# Altium PCB Slave.PcbDoc (part 9 of 10)
Units mm, origin at the board's own origin, x right, y up, seen from the top; angles counter-clockwise.
Board outline 380 x 63 mm, 4 copper layers (Top Copper, Signal Layer 1, Signal Layer 2, Bottom Copper), stack 1.586 mm thick; 259 components, 195 nets, 816 pads, 23336 vias.
Unrouted connection lines stored in the file: 47.
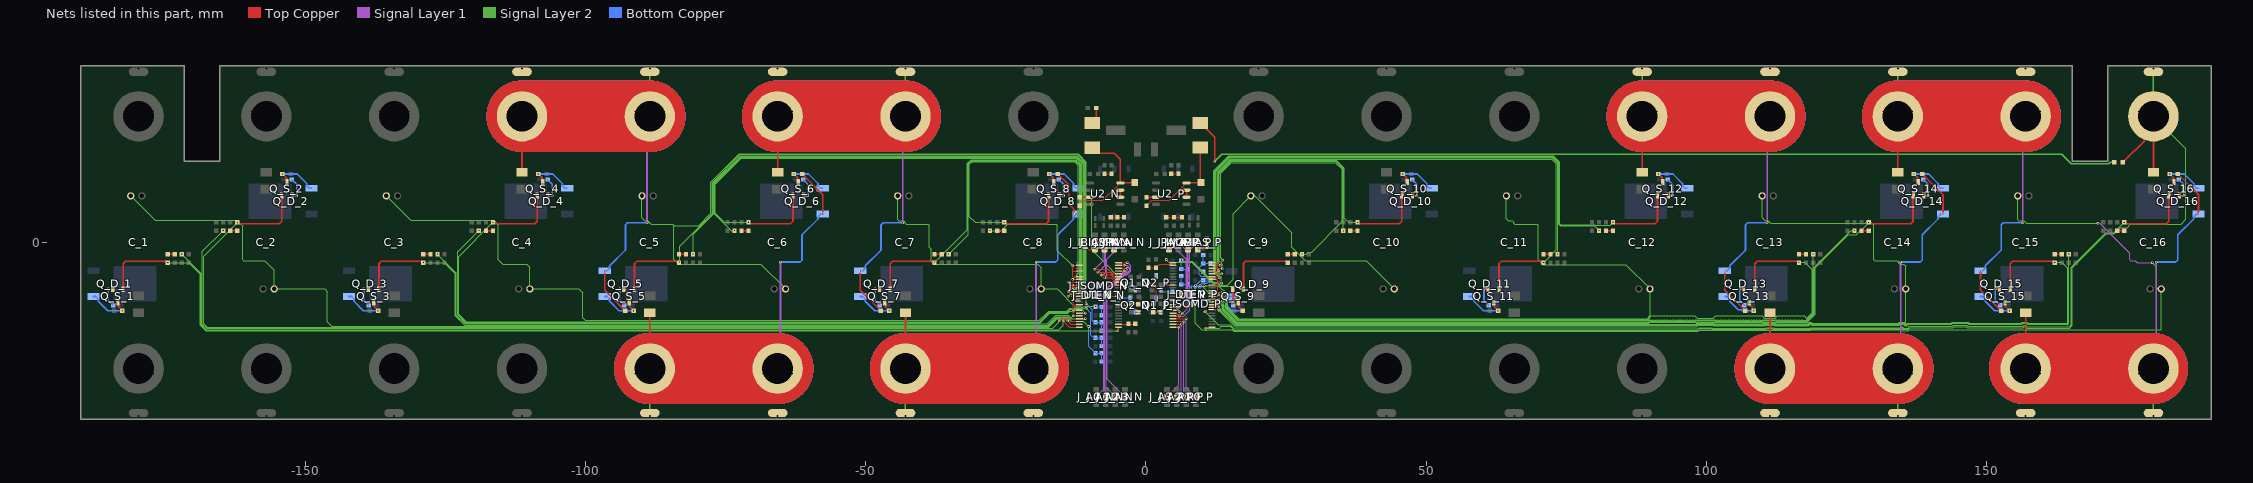
[diagram p11: the nets of this part, all layers, seen from the top]

## Via types
v1: diameter 0.45, hole 0.2, Top Copper to Bottom Copper, tented both sides, 23076 vias
v2: diameter 0.45, hole 0.2, Top Copper to Bottom Copper, 250 vias
v3: diameter 1.2, hole 0.8, Top Copper to Bottom Copper, 10 vias

## Nets (pads, with @x,y where several pads share a name; then routed paths per layer and width w, separated by ;. In a path a pad name is that pad's centre, name@x,y a point inside that pad or via, vN(x,y) a via of type N, cw(c..) or ccw(c..) an arc to the next point about the centre after c; other vN are vias at no path point) (continued)
NEG5_C1: C_4.+ C_5.- F_V_4.1 Q_D_5.3 R_TUNE_5.1 | length 154.3
  Top Copper w0.102: C_5.-@-88.5,22.5 C_5.-@-87,21
  Top Copper w0.305: F_V_4.1@-111.3,12.545 C_4.+@-111.3,22.5 ; v2(-96.55,-5.1) -96.55,-8.525 R_TUNE_5.1@-92.875,-12.2
  Top Copper w12.7: C_4.+@-111.3,22.5 C_5.-@-88.5,22.5
  Signal Layer 1 w0.102: C_5.-@-88.975,22.025 C_5.-@-88.5,22.5 C_5.-@-88.025,22.975
  Signal Layer 1 w0.305: v2(-89,3.5) -88.996,3.504 -88.996,8.674 -89,8.678 -89,22 C_5.-@-88.975,22.025 ; C_5.-@-88.025,22.975 C_5.-@-88,23
  Signal Layer 1 w12.7: C_4.+@-111.3,22.5 C_5.-@-88.5,22.5
  Signal Layer 2 w0.254: C_5.-@-88.5,22.5 C_5.-@-88.5,31
  Signal Layer 2 w12.7: C_4.+@-111.3,22.5 C_5.-@-88.5,22.5
  Bottom Copper w0.305: Q_D_5.3@-96.55,-5.05 -96.129,-5.05 -95.682,-4.602 -95.682,-4.182 -92.852,-1.352 -92.852,3.146 -92.498,3.5 v2(-89,3.5)
  Bottom Copper w12.7: C_4.+@-111.3,22.5 C_5.-@-88.5,22.5
NEG5_C2: C_12.+ C_13.- F_V_12.1 Q_D_13.3 R_TUNE_13.1 | length 152.2
  Top Copper w0.305: F_V_12.1@88.5,12.545 C_12.+@88.5,22.5 ; v2(103.25,-5.1) 103.25,-8.525 R_TUNE_13.1@106.925,-12.2
  Top Copper w12.7: C_12.+@88.5,22.5 C_13.-@111.3,22.5
  Signal Layer 1 w0.102: C_13.-@110.825,22.025 C_13.-@111.3,22.5 C_13.-@111.775,22.975
  Signal Layer 1 w0.305: v2(110.8,3.5) 110.804,3.504 110.804,8.674 110.8,8.678 110.8,22 C_13.-@110.825,22.025 ; C_13.-@111.775,22.975 C_13.-@111.8,23
  Signal Layer 1 w12.7: C_12.+@88.5,22.5 C_13.-@111.3,22.5
  Signal Layer 2 w0.254: C_12.+@88.5,22.5 C_12.+@88.5,31
  Signal Layer 2 w12.7: C_12.+@88.5,22.5 C_13.-@111.3,22.5
  Bottom Copper w0.305: Q_D_13.3@103.25,-5.05 103.671,-5.05 104.118,-4.602 104.118,-4.182 106.948,-1.352 106.948,3.146 107.302,3.5 v2(110.8,3.5)
  Bottom Copper w12.7: C_12.+@88.5,22.5 C_13.-@111.3,22.5
NEG6_C1: C_5.+ C_6.- F_V_5.1 Q_D_6.3 R_TUNE_6.1 | length 152.2
  Top Copper w0.305: C_5.+@-88.5,-22.5 F_V_5.1@-88.5,-12.545 ; R_TUNE_6.1@-61.325,12.2 -57.65,8.525 v2(-57.65,5.1)
  Top Copper w12.7: C_5.+@-88.5,-22.5 C_6.-@-65.7,-22.5
  Signal Layer 1 w0.102: C_6.-@-65.7,-22.5 -65.225,-22.025 C_6.-@-65.7,-22.5
  Signal Layer 1 w0.305: v2(-65.2,-3.5) -65.204,-3.504 -65.204,-8.674 -65.2,-8.678 C_6.-@-65.2,-22 ; C_6.-@-65.2,-22 -65.225,-22.025 C_6.-@-65.2,-22
  Signal Layer 1 w12.7: C_5.+@-88.5,-22.5 C_6.-@-65.7,-22.5
  Signal Layer 2 w0.254: C_5.+@-88.5,-31 C_5.+@-88.5,-22.5
  Signal Layer 2 w12.7: C_5.+@-88.5,-22.5 C_6.-@-65.7,-22.5
  Bottom Copper w0.305: v2(-65.2,-3.5) -61.702,-3.5 -61.348,-3.146 -61.348,1.352 -58.518,4.182 -58.518,4.602 -58.071,5.05 Q_D_6.3@-57.65,5.05
  Bottom Copper w12.7: C_5.+@-88.5,-22.5 C_6.-@-65.7,-22.5
NEG6_C2: C_13.+ C_14.- F_V_13.1 Q_D_14.3 R_TUNE_14.1 | length 154.1
  Top Copper w0.102: C_14.-@132.6,-21 C_14.-@134.1,-22.5
  Top Copper w0.305: C_13.+@111.3,-22.5 F_V_13.1@111.3,-12.775 ; R_TUNE_14.1@138.475,12.2 142.15,8.525 v2(142.15,5.1)
  Top Copper w12.7: C_13.+@111.3,-22.5 C_14.-@134.1,-22.5
  Signal Layer 1 w0.102: C_14.-@134.1,-22.5 134.575,-22.025 C_14.-@134.1,-22.5
  Signal Layer 1 w0.305: v2(134.6,-3.5) 134.596,-3.504 134.596,-8.674 134.6,-8.678 C_14.-@134.6,-22 ; C_14.-@134.6,-22 134.575,-22.025 C_14.-@134.6,-22
  Signal Layer 1 w12.7: C_13.+@111.3,-22.5 C_14.-@134.1,-22.5
  Signal Layer 2 w0.254: C_14.-@134.1,-31 C_14.-@134.1,-22.5
  Signal Layer 2 w12.7: C_13.+@111.3,-22.5 C_14.-@134.1,-22.5
  Bottom Copper w0.305: v2(134.6,-3.5) 138.098,-3.5 138.452,-3.146 138.452,1.352 141.282,4.182 141.282,4.602 141.729,5.05 Q_D_14.3@142.15,5.05
  Bottom Copper w12.7: C_13.+@111.3,-22.5 C_14.-@134.1,-22.5
NEG7_C1: C_6.+ C_7.- F_V_6.1 Q_D_7.3 R_TUNE_7.1 | length 154.3
  Top Copper w0.102: C_7.-@-42.9,22.5 C_7.-@-41.4,21
  Top Copper w0.305: F_V_6.1@-65.7,12.545 C_6.+@-65.7,22.5 ; v2(-50.95,-5.1) -50.95,-8.525 R_TUNE_7.1@-47.275,-12.2
  Top Copper w12.7: C_6.+@-65.7,22.5 C_7.-@-42.9,22.5
  Signal Layer 1 w0.102: C_7.-@-43.375,22.025 C_7.-@-42.9,22.5 C_7.-@-42.425,22.975
  Signal Layer 1 w0.305: v2(-43.4,3.5) -43.396,3.504 -43.396,8.674 -43.4,8.678 -43.4,22 C_7.-@-43.375,22.025 ; C_7.-@-42.425,22.975 C_7.-@-42.4,23
  Signal Layer 1 w12.7: C_6.+@-65.7,22.5 C_7.-@-42.9,22.5
  Signal Layer 2 w0.254: C_7.-@-42.9,22.5 C_7.-@-42.9,31
  Signal Layer 2 w12.7: C_6.+@-65.7,22.5 C_7.-@-42.9,22.5
  Bottom Copper w0.305: Q_D_7.3@-50.95,-5.05 -50.529,-5.05 -50.082,-4.602 -50.082,-4.182 -47.252,-1.352 -47.252,3.146 -46.898,3.5 v2(-43.4,3.5)
  Bottom Copper w12.7: C_6.+@-65.7,22.5 C_7.-@-42.9,22.5
NEG7_C2: C_14.+ C_15.- F_V_14.1 Q_D_15.3 R_TUNE_15.1 | length 152.2
  Top Copper w0.305: F_V_14.1@134.1,12.545 C_14.+@134.1,22.5 ; v2(148.85,-5.1) 148.85,-8.525 R_TUNE_15.1@152.525,-12.2
  Top Copper w12.7: C_14.+@134.1,22.5 C_15.-@156.9,22.5
  Signal Layer 1 w0.102: C_15.-@156.425,22.025 C_15.-@156.9,22.5 C_15.-@157.375,22.975
  Signal Layer 1 w0.305: v2(156.4,3.5) 156.404,3.504 156.404,8.674 156.4,8.678 156.4,22 C_15.-@156.425,22.025 ; C_15.-@157.375,22.975 C_15.-@157.4,23
  Signal Layer 1 w12.7: C_14.+@134.1,22.5 C_15.-@156.9,22.5
  Signal Layer 2 w0.254: C_14.+@134.1,22.5 C_14.+@134.1,31
  Signal Layer 2 w12.7: C_14.+@134.1,22.5 C_15.-@156.9,22.5
  Bottom Copper w0.305: Q_D_15.3@148.85,-5.05 149.271,-5.05 149.718,-4.602 149.718,-4.182 152.548,-1.352 152.548,3.146 152.902,3.5 v2(156.4,3.5)
  Bottom Copper w12.7: C_14.+@134.1,22.5 C_15.-@156.9,22.5
NEG8_C1: C_7.+ C_8.- F_V_7.1 Q_D_8.3 R_TUNE_8.1 | length 151.8
  Top Copper w0.305: C_7.+@-42.9,-22.5 F_V_7.1@-42.9,-12.545 ; R_TUNE_8.1@-15.725,12.2 -13.8,10.275 -13.8,6.85 -12.9,5.95 v2(-12.9,5.1)
  Top Copper w12.7: C_7.+@-42.9,-22.5 C_8.-@-20.1,-22.5
  Signal Layer 1 w0.102: C_8.-@-20.1,-22.5 -19.625,-22.025 C_8.-@-20.1,-22.5
  Signal Layer 1 w0.305: v2(-19.6,-3.5) -19.604,-3.504 -19.604,-8.674 -19.6,-8.678 C_8.-@-19.6,-22 ; C_8.-@-19.6,-22 -19.625,-22.025 C_8.-@-19.6,-22
  Signal Layer 1 w12.7: C_7.+@-42.9,-22.5 C_8.-@-20.1,-22.5
  Signal Layer 2 w0.254: C_7.+@-42.9,-31 C_7.+@-42.9,-22.5
  Signal Layer 2 w12.7: C_7.+@-42.9,-22.5 C_8.-@-20.1,-22.5
  Bottom Copper w0.305: v2(-19.6,-3.5) -16.102,-3.5 -15.748,-3.146 -15.748,1.352 -12.918,4.182 -12.918,4.602 -12.471,5.05 Q_D_8.3@-12.05,5.05
  Bottom Copper w12.7: C_7.+@-42.9,-22.5 C_8.-@-20.1,-22.5
NEG8_C2: C_15.+ C_16.- F_V_15.1 Q_D_16.3 R_TUNE_16.1 | length 154.5
  Top Copper w0.102: C_16.-@178.2,-21 C_16.-@179.7,-22.5
  Top Copper w0.305: C_15.+@156.9,-22.5 F_V_15.1@156.9,-12.545 F_V_15.1@156.9,-12.35 ; R_TUNE_16.1@184.075,12.2 187.75,8.525 v2(187.75,5.1)
  Top Copper w12.7: C_15.+@156.749,-22.5 C_16.-@179.549,-22.5
  Signal Layer 1 w0.102: C_16.-@179.549,-22.5 C_16.-@180.024,-22.025 ; C_16.-@179.7,-22.5 C_16.-@180.175,-22.025
  Signal Layer 1 w0.305: C_16.-@180.024,-22.025 C_16.-@180.049,-22 ; C_16.-@180.175,-22.025 180.2,-22 180.2,-8.678 180.196,-8.674 180.196,-3.504 v2(180.2,-3.5)
  Signal Layer 1 w12.7: C_15.+@156.749,-22.5 C_16.-@179.549,-22.5
  Signal Layer 2 w0.254: C_16.-@179.7,-31 C_16.-@179.7,-22.5
  Signal Layer 2 w12.7: C_15.+@156.749,-22.5 C_16.-@179.549,-22.5
  Bottom Copper w0.305: v2(180.2,-3.5) 183.698,-3.5 184.052,-3.146 184.052,1.352 186.882,4.182 186.882,4.602 187.329,5.05 Q_D_16.3@187.75,5.05
  Bottom Copper w12.7: C_15.+@156.749,-22.5 C_16.-@179.549,-22.5
NetC1_N_1: C1_N.1 D2_N.A R_VREGPU_N.2 U2_N.8 | length 21.8
  Top Copper w0.102: R_VREGPU_N.2@-11.8,6.55 -11.8,6.575 -11.476,6.899 -11.451,6.899 -10.85,7.5 -7.68,7.5 -4.968,10.212 -4.968,10.375 -4.738,10.605 U2_N.8@-4.575,10.605
  Top Copper w0.254: D2_N.A@-9.6,16.89 -9.312,16.89 -8.359,15.937 -5.65,15.937 -4.575,14.862 U2_N.8@-4.575,10.605 -2.095,10.605 C1_N.1@-2,10.7
NetC1_P_1: C1_P.1 D2_P.A R_VREGPU_P.2 U2_P.8 | length 17.8
  Top Copper w0.102: R_VREGPU_P.2@0.1,6.55 0.1,6.575 0.424,6.899 0.449,6.899 1.05,7.5 4.12,7.5 6.832,10.212 6.832,10.375 7.062,10.605 U2_P.8@7.225,10.605
  Top Copper w0.254: U2_P.8@7.225,10.605 9.705,10.605 C1_P.1@9.8,10.7 9.68,10.82 D2_P.A@9.68,16.91
NetC_IPMA_N_2: C_IPMA_N.2 R_IMA_N.1 R_IPA_N.1 | length 2.4
  Top Copper w0.102: R_IPA_N.1@-6.3,4.45 C_IPMA_N.2@-5.1,4.45 R_IMA_N.1@-3.9,4.45
NetC_IPMA_P_2: C_IPMA_P.2 R_IMA_P.1 R_IPA_P.1 | length 2.8
  Top Copper w0.102: R_IPA_P.1@3.6,4.45 C_IPMA_P.2@5,4.45 R_IMA_P.1@6.4,4.45
NetC_V1_N_2: C_V1_N.2 R_Input1_N.1 U1_N.26 | length 3
  Top Copper w0.102: U1_N.26@-4.9,-14.6 -1.95,-14.6 R_Input1_N.1@-1.9,-14.65
NetC_V1_P_2: C_V1_P.2 R_Input1_P.1 U1_P.26 | length 4.8
  Top Copper w0.102: R_Input1_P.1@0.42,-4.56 1.79,-4.56 C_V1_P.2@1.81,-4.54 1.81,-4.515 2.134,-4.191 2.159,-4.191 2.473,-3.877 4.577,-3.877 U1_P.26@4.8,-4.1
NetD2_N_K: D2_N.K R_POS8_N.1 | length 3
  Top Copper w0.254: D2_N.K@-9.6,21.31 -8.85,22.06 R_POS8_N.1@-8.85,24
NetD2_P_K: D2_P.K R_POS8_P.1 | length 169.6
  Top Copper w0.254: D2_P.K@9.68,21.33 12.25,18.76 v2(12.25,14.5)
  Signal Layer 2 w0.254: v2(12.25,14.5) 13.5,15.75 163.376,15.75 165.053,14.073 171.757,14.073 172.007,14.323 172.647,14.323
NetJ_A0_N_3: J_A0_N.3 U1_N.45 | length 25.6
  Top Copper w0.102: U1_N.45@-4.9,-5.1 -3.934,-5.1 -3.9,-5.066 v2(-3.9,-5.1)
  Signal Layer 1 w0.102: v2(-8.9,-27.6) -7.525,-26.225 -7.525,-8.725 v2(-3.9,-5.1)
NetJ_A0_P_3: J_A0_P.3 U1_P.45 | length 17
  Top Copper w0.102: U1_P.45@4.8,-13.6 v2(7.19,-13.6)
  Signal Layer 1 w0.102: v2(7.19,-13.6) 7.19,-25.9 v2(8.84,-27.55)
NetJ_A1_N_3: J_A1_N.3 U1_N.46 | length 26.4
  Top Copper w0.102: U1_N.46@-4.9,-4.6 v2@-3.323,-4.6
  Signal Layer 1 w0.102: v2(-7.15,-27.55) -7.15,-26.481 -7.322,-26.309 -7.322,-8.822 -3.977,-5.477 -3.744,-5.477 -3.323,-5.056 v2(-3.323,-4.623)
NetJ_A1_P_3: J_A1_P.3 U1_P.46 | length 15.6
  Top Copper w0.102: U1_P.46@4.8,-14.1 6.76,-14.1 v2(6.77,-14.11)
  Signal Layer 1 w0.102: v2(6.77,-14.11) 6.77,-27.17 v2(7.15,-27.55)
NetJ_A2_N_3: J_A2_N.3 U1_N.47 | length 27.8
  Top Copper w0.102: U1_N.47@-4.9,-4.1 v2(-3.9,-4.1)
  Signal Layer 1 w0.102: v2(-5.4,-27.55) -7.119,-25.831 -7.119,-8.906 -3.893,-5.681 -3.647,-5.681 -2.92,-4.954 -2.92,-4.491 -3.311,-4.1 v2(-3.9,-4.1)
NetJ_A2_P_3: J_A2_P.3 U1_P.47 | length 14.9
  Top Copper w0.102: U1_P.47@4.8,-14.6 v2(6.32,-14.6)
  Signal Layer 1 w0.102: v2(5.4,-27.55) 6.32,-26.63 v2(6.32,-14.6)
NetJ_A3_N_3: J_A3_N.3 U1_N.48 | length 28.9
  Top Copper w0.102: U1_N.48@-4.9,-3.6 v2(-3.323,-3.6)
  Signal Layer 1 w0.102: v2(-3.8,-27.5) -6.915,-24.385 -6.915,-8.99 -3.809,-5.884 -3.563,-5.884 -2.717,-5.038 -2.717,-4.162 -3.279,-3.6 v2(-3.323,-3.6)
NetJ_A3_P_3: J_A3_P.3 U1_P.48 | length 14.4
  Top Copper w0.102: U1_P.48@4.8,-15.1 v2(5.87,-15.1)
  Signal Layer 1 w0.102: v2(3.76,-27.55) 5.87,-25.44 v2(5.87,-15.1)
NetJ_DTEN_N_3: J_DTEN_N.3 U1_N.36 | length 3.6
  Top Copper w0.102: v2(-8.4,-9.374) -8.392,-9.374 -8.166,-9.6 U1_N.36@-4.9,-9.6
  Bottom Copper w0.102: J_DTEN_N.3@-8.4,-9.4 -8.38,-9.38 -8.386,-9.374 v2(-8.4,-9.374)
NetJ_DTEN_P_3: J_DTEN_P.3 U1_P.36 | length 3.5
  Top Copper w0.102: U1_P.36@4.8,-9.1 8.106,-9.1 8.206,-9.2 v2(8.3,-9.2)
NetJ_IBIAS_N_3: J_IBIAS_N.3 U1_N.44 | length 10.6
  Top Copper w0.102: v2(-9.1,-4.8) -6.7,-4.8 -5.9,-5.6 U1_N.44@-4.9,-5.6
  Signal Layer 1 w0.102: v2(-9.1,-4.8) -7.603,-3.303 -7.603,-1.497 v3(-9.1,0)
NetJ_IBIAS_P_3: J_IBIAS_P.3 U1_P.44 | length 16.1
  Top Copper w0.102: U1_P.44@4.8,-13.1 4.81,-13.09 4.88,-13.16 v2(5.94,-13.16)
  Signal Layer 1 w0.102: v2(5.94,-13.16) 6.7,-13.16 7.78,-12.08 7.78,-1.42 v3(9.2,0)
NetJ_ICMP_N_3: J_ICMP_N.3 U1_N.43 | length 9.9
  Top Copper w0.102: v2(-8.6,-5.3) -6.5,-5.3 -5.7,-6.1 U1_N.43@-4.9,-6.1
  Signal Layer 1 w0.102: v2(-8.6,-5.3) -8.5,-5.3 -7.4,-4.2 v3(-7.4,0)
NetJ_ICMP_P_3: J_ICMP_P.3 U1_P.43 | length 15
  Top Copper w0.102: U1_P.43@4.8,-12.6 5.327,-12.6 5.51,-12.783 6.447,-12.783 v2(6.48,-12.75)
  Signal Layer 1 w0.102: v2(6.48,-12.75) 7.577,-11.653 7.577,-1.336 7.5,-1.259 v3(7.5,0)
NetJ_IMA_N_3: J_IMA_N.3 U1_N.41 | length 10.7
  Top Copper w0.102: v2(-7.4,-6.3) -6.172,-6.3 -5.372,-7.1 U1_N.41@-4.9,-7.1
  Signal Layer 1 w0.102: v2(-7.4,-6.3) -7.2,-6.3 -6.994,-6.094 -6.994,-2.994 v3(-4,0)
NetJ_IMA_P_3: J_IMA_P.3 U1_P.41 | length 14
  Top Copper w0.102: U1_P.41@4.8,-11.6 5.81,-11.6 v2(5.87,-11.66)
  Signal Layer 1 w0.102: v3@5.79,-0.01 7.374,-1.594 7.374,-10.156 v2(5.87,-11.66)
  other v3: 5.79,0
NetJ_IPA_N_3: J_IPA_N.3 U1_N.42 | length 10.6
  Top Copper w0.102: v2(-8,-5.8) -6.3,-5.8 -5.528,-6.572 -4.928,-6.572 U1_N.42@-4.9,-6.6
  Signal Layer 1 w0.102: v2(-8,-5.8) -8,-5.9 -7.9,-6 -7.197,-5.297 -7.197,-1.497 v3(-5.7,0)
NetJ_IPA_P_3: J_IPA_P.3 U1_P.42 | length 16
  Top Copper w0.102: U1_P.42@4.8,-12.1 5.776,-12.1 5.9,-12.224 v2(5.9,-12.37)
  Signal Layer 1 w0.102: v3@4.12,0.02 7.17,-3.03 7.17,-10.072 5.96,-11.283 5.714,-11.283 5.493,-11.504 5.493,-11.816 5.714,-12.037 5.783,-12.037 5.843,-12.097 5.843,-12.313 v2(5.9,-12.37)
  other v3: 4.12,0
NetJ_ISOMD_N_3: J_ISOMD_N.3 U1_N.40 | length 3.5
  Top Copper w0.102: v2(-8.4,-7.7) -8.306,-7.7 -8.206,-7.6 U1_N.40@-4.9,-7.6
NetJ_ISOMD_P_3: J_ISOMD_P.3 U1_P.40 | length 3.6
  Top Copper w0.102: U1_P.40@4.8,-11.1 8.15,-11.1 v2(8.3,-10.95)
NetLED_5V_N_K: LED_5V_N.K R_5V_N.2 | length 1.2
  Top Copper w0.102: LED_5V_N.K@-7.4,12.25 R_5V_N.2@-6.172,12.25
NetLED_5V_P_K: LED_5V_P.K R_5V_P.2 | length 1.3
  Top Copper w0.102: LED_5V_P.K@4.5,12.25 R_5V_P.2@5.776,12.25
NetLED_D_1_A: LED_D_1.A R_D_LED_1.1 | length 1.3
  Top Copper w0.305: LED_D_1.A@-174.5,-2.1 R_D_LED_1.1@-173.25,-2.1
NetLED_D_2_A: LED_D_2.A R_D_LED_2.1 | length 1.3
  Top Copper w0.305: R_D_LED_2.1@-163.35,2.1 LED_D_2.A@-162.1,2.1
NetLED_D_3_A: LED_D_3.A R_D_LED_3.1 | length 1.3
  Top Copper w0.305: LED_D_3.A@-128.9,-2.1 R_D_LED_3.1@-127.65,-2.1
NetLED_D_4_A: LED_D_4.A R_D_LED_4.1 | length 1.3
  Top Copper w0.305: R_D_LED_4.1@-117.75,2.1 LED_D_4.A@-116.5,2.1
NetLED_D_5_A: LED_D_5.A R_D_LED_5.1 | length 1.3
  Top Copper w0.305: LED_D_5.A@-83.3,-2.1 R_D_LED_5.1@-82.05,-2.1
NetLED_D_6_A: LED_D_6.A R_D_LED_6.1 | length 1.3
  Top Copper w0.305: R_D_LED_6.1@-72.15,2.1 LED_D_6.A@-70.9,2.1
NetLED_D_7_A: LED_D_7.A R_D_LED_7.1 | length 1.3
  Top Copper w0.305: LED_D_7.A@-37.7,-2.1 R_D_LED_7.1@-36.45,-2.1
NetLED_D_8_A: LED_D_8.A R_D_LED_8.1 | length 1.3
  Top Copper w0.305: R_D_LED_8.1@-26.55,2.1 LED_D_8.A@-25.3,2.1
NetLED_D_9_A: LED_D_9.A R_D_LED_9.1 | length 1.3
  Top Copper w0.305: LED_D_9.A@25.3,-2.1 R_D_LED_9.1@26.55,-2.1
NetLED_D_10_A: LED_D_10.A R_D_LED_10.1 | length 1.3
  Top Copper w0.305: R_D_LED_10.1@36.45,2.1 LED_D_10.A@37.7,2.1
NetLED_D_11_A: LED_D_11.A R_D_LED_11.1 | length 1.3
  Top Copper w0.305: LED_D_11.A@70.9,-2.1 R_D_LED_11.1@72.15,-2.1
NetLED_D_12_A: LED_D_12.A R_D_LED_12.1 | length 1.3
  Top Copper w0.305: R_D_LED_12.1@82.05,2.1 LED_D_12.A@83.3,2.1
NetLED_D_13_A: LED_D_13.A R_D_LED_13.1 | length 1.3
  Top Copper w0.305: LED_D_13.A@116.5,-2.1 R_D_LED_13.1@117.75,-2.1
NetLED_D_14_A: LED_D_14.A R_D_LED_14.1 | length 1.3
  Top Copper w0.305: R_D_LED_14.1@127.65,2.1 LED_D_14.A@128.9,2.1
NetLED_D_15_A: LED_D_15.A R_D_LED_15.1 | length 1.3
  Top Copper w0.305: LED_D_15.A@162.1,-2.1 R_D_LED_15.1@163.35,-2.1
NetLED_D_16_A: LED_D_16.A R_D_LED_16.1 | length 1.3
  Top Copper w0.305: R_D_LED_16.1@173.25,2.1 LED_D_16.A@174.5,2.1
NetLED_DEBUG_N_K: LED_DEBUG_N.K R_DEBUG_N.2 | length 1.3
  Top Copper w0.102: LED_DEBUG_N.K@-2.7,-10.95 -1.45,-10.95 R_DEBUG_N.2@-1.4,-11
NetLED_DEBUG_P_K: LED_DEBUG_P.K R_DEBUG_P.2 | length 1.3
  Top Copper w0.102: R_DEBUG_P.2@1.3,-12.45 LED_DEBUG_P.K@2.6,-12.45
NetPTC_1_1: PTC_1.1 Q_S_1.2 | length 4.6
  Top Copper w0.102: Q_S_1.2@-184.574,-8.768 -184.325,-8.519 Q_S_1.2@-184.325,-8.375
  Top Copper w0.305: v2(-185.1,-8.3) -184.4,-8.3 Q_S_1.2@-184.325,-8.375
  Bottom Copper w0.305: v2(-185.1,-8.3) -185.1,-10.35 PTC_1.1@-184.25,-11.2
NetPTC_2_1: PTC_2.1 Q_S_2.2 | length 4.6
  Top Copper w0.102: Q_S_2.2@-152.275,8.375 -152.275,8.519 Q_S_2.2@-152.026,8.768
  Top Copper w0.305: Q_S_2.2@-152.275,8.375 -152.2,8.3 v2(-151.5,8.3)
  Bottom Copper w0.305: PTC_2.1@-152.35,11.2 -151.5,10.35 v2(-151.5,8.3)
NetPTC_3_1: PTC_3.1 Q_S_3.2 | length 4.6
  Top Copper w0.102: Q_S_3.2@-138.974,-8.768 -138.725,-8.519 Q_S_3.2@-138.725,-8.375
  Top Copper w0.305: v2(-139.5,-8.3) -138.8,-8.3 Q_S_3.2@-138.725,-8.375
  Bottom Copper w0.305: v2(-139.5,-8.3) -139.5,-10.35 PTC_3.1@-138.65,-11.2
NetPTC_4_1: PTC_4.1 Q_S_4.2 | length 4.6
  Top Copper w0.102: Q_S_4.2@-106.675,8.375 -106.675,8.519 Q_S_4.2@-106.426,8.768
  Top Copper w0.305: Q_S_4.2@-106.675,8.375 -106.6,8.3 v2(-105.9,8.3)
  Bottom Copper w0.305: PTC_4.1@-106.75,11.2 -105.9,10.35 v2(-105.9,8.3)
NetPTC_5_1: PTC_5.1 Q_S_5.2 | length 4.6
  Top Copper w0.102: Q_S_5.2@-93.374,-8.768 -93.125,-8.519 Q_S_5.2@-93.125,-8.375
  Top Copper w0.305: v2(-93.9,-8.3) -93.2,-8.3 Q_S_5.2@-93.125,-8.375
  Bottom Copper w0.305: v2(-93.9,-8.3) -93.9,-10.35 PTC_5.1@-93.05,-11.2
NetPTC_6_1: PTC_6.1 Q_S_6.2 | length 4.6
  Top Copper w0.102: Q_S_6.2@-61.075,8.375 -61.075,8.519 Q_S_6.2@-60.826,8.768
  Top Copper w0.305: Q_S_6.2@-61.075,8.375 -61,8.3 v2(-60.3,8.3)
  Bottom Copper w0.305: PTC_6.1@-61.15,11.2 -60.3,10.35 v2(-60.3,8.3)
NetPTC_7_1: PTC_7.1 Q_S_7.2 | length 4.6
  Top Copper w0.102: Q_S_7.2@-47.774,-8.768 -47.525,-8.519 Q_S_7.2@-47.525,-8.375
  Top Copper w0.305: v2(-48.3,-8.3) -47.6,-8.3 Q_S_7.2@-47.525,-8.375
  Bottom Copper w0.305: v2(-48.3,-8.3) -48.3,-10.35 PTC_7.1@-47.45,-11.2
NetPTC_8_1: PTC_8.1 Q_S_8.2 | length 4.6
  Top Copper w0.102: Q_S_8.2@-15.475,8.375 -15.475,8.519 Q_S_8.2@-15.226,8.768
  Top Copper w0.305: Q_S_8.2@-15.475,8.375 -15.4,8.3 v2(-14.7,8.3)
  Bottom Copper w0.305: PTC_8.1@-15.55,11.2 -14.7,10.35 v2(-14.7,8.3)
NetPTC_9_1: PTC_9.1 Q_S_9.2 | length 3.6
  Top Copper w0.102: Q_S_9.2@15.226,-8.768 15.475,-8.519 Q_S_9.2@15.475,-8.375
  Top Copper w0.305: Q_S_9.2@15.475,-8.375 15.55,-8.45 v2(15.55,-11)
  Bottom Copper w0.305: PTC_9.1@15.55,-11.2 15.35,-11 v2(15.55,-11)
NetPTC_10_1: PTC_10.1 Q_S_10.2 | length 4.6
  Top Copper w0.102: Q_S_10.2@47.525,8.375 47.525,8.519 Q_S_10.2@47.774,8.768
  Top Copper w0.305: Q_S_10.2@47.525,8.375 47.6,8.3 v2(48.3,8.3)
  Bottom Copper w0.305: PTC_10.1@47.45,11.2 48.3,10.35 v2(48.3,8.3)
NetPTC_11_1: PTC_11.1 Q_S_11.2 | length 4.6
  Top Copper w0.102: Q_S_11.2@60.826,-8.768 61.075,-8.519 Q_S_11.2@61.075,-8.375
  Top Copper w0.305: v2(60.3,-8.3) 61,-8.3 Q_S_11.2@61.075,-8.375
  Bottom Copper w0.305: v2(60.3,-8.3) 60.3,-10.35 PTC_11.1@61.15,-11.2
NetPTC_12_1: PTC_12.1 Q_S_12.2 | length 4.6
  Top Copper w0.102: Q_S_12.2@93.125,8.375 93.125,8.519 Q_S_12.2@93.374,8.768
  Top Copper w0.305: Q_S_12.2@93.125,8.375 93.2,8.3 v2(93.9,8.3)
  Bottom Copper w0.305: PTC_12.1@93.05,11.2 93.9,10.35 v2(93.9,8.3)
NetPTC_13_1: PTC_13.1 Q_S_13.2 | length 4.6
  Top Copper w0.102: Q_S_13.2@106.426,-8.768 106.675,-8.519 Q_S_13.2@106.675,-8.375
  Top Copper w0.305: v2(105.9,-8.3) 106.6,-8.3 Q_S_13.2@106.675,-8.375
  Bottom Copper w0.305: v2(105.9,-8.3) 105.9,-10.35 PTC_13.1@106.75,-11.2
NetPTC_14_1: PTC_14.1 Q_S_14.2 | length 4.6
  Top Copper w0.102: Q_S_14.2@138.725,8.375 138.725,8.519 Q_S_14.2@138.974,8.768
  Top Copper w0.305: Q_S_14.2@138.725,8.375 138.8,8.3 v2(139.5,8.3)
  Bottom Copper w0.305: PTC_14.1@138.65,11.2 139.5,10.35 v2(139.5,8.3)
NetPTC_15_1: PTC_15.1 Q_S_15.2 | length 4.6
  Top Copper w0.102: Q_S_15.2@152.026,-8.768 152.275,-8.519 Q_S_15.2@152.275,-8.375
  Top Copper w0.305: v2(151.5,-8.3) 152.2,-8.3 Q_S_15.2@152.275,-8.375
  Bottom Copper w0.305: v2(151.5,-8.3) 151.5,-10.35 PTC_15.1@152.35,-11.2
NetPTC_16_1: PTC_16.1 Q_S_16.2 | length 4.6
  Top Copper w0.102: Q_S_16.2@184.325,8.375 184.325,8.519 Q_S_16.2@184.574,8.768
  Top Copper w0.305: Q_S_16.2@184.325,8.375 184.4,8.3 v2(185.1,8.3)
  Bottom Copper w0.305: PTC_16.1@184.25,11.2 185.1,10.35 v2(185.1,8.3)
NetQ1_N_3: Q1_N.3 R_VREGPU_N.1 U2_N.3 | length 22
  Top Copper w0.254: R_VREGPU_N.1@-11.8,8.05 -10.04,8.05 U2_N.3@-10.025,8.065
  Signal Layer 2 w0.102: v2(-9.694,8.065) -9.694,7.09 -9.877,6.907 -9.877,6.595 -9.694,6.412 -9.694,-1.313 -2.608,-8.4 v2(-1.9,-8.4)
NetQ1_P_3: Q1_P.3 R_VREGPU_P.1 U2_P.3 | length 1.7
  Top Copper w0.254: R_VREGPU_P.1@0.1,8.05 1.76,8.05 U2_P.3@1.775,8.065
NetQ2_N_1: Q2_N.1 R_DEBUG_PD_N.2 U1_N.33 | length 4.6
  Top Copper w0.102: U1_N.33@-4.9,-11.1 v2(-3.7,-11.1)
  Bottom Copper w0.102: R_DEBUG_PD_N.2@-4.765,-9.867 -2.983,-9.867 Q2_N.1@-2.85,-10 -2.85,-10.25 v2(-3.7,-11.1)
NetQ2_N_3: Q2_N.3 R_DEBUG_N.1 | length 0.4
  Top Copper w0.102: v2(-1.8,-12.4) -1.7,-12.5 R_DEBUG_N.1@-1.4,-12.5
NetQ2_P_1: Q2_P.1 R_DEBUG_PD_P.2 U1_P.33 | length 4.9
  Top Copper w0.102: v2(3.6,-7.35) 3.85,-7.6 U1_P.33@4.8,-7.6
  Bottom Copper w0.102: v2(3.6,-7.35) 2.999,-7.951 2.75,-8.2 Q2_P.1@2.75,-8.4 2.75,-8.522 2.999,-8.771 R_DEBUG_PD_P.2@4.75,-8.771
NetQ2_P_3: Q2_P.3 R_DEBUG_P.1 | length 5.2
  Top Copper w0.102: R_DEBUG_P.1@1.3,-10.95 1.3,-10.925 1.624,-10.601 1.649,-10.601 1.8,-10.45 v2(1.8,-6)
NetQ_D_1_1: Q_D_1.1 Q_S_1.3 R_TUNE_1.2 | length 8.2
  Top Copper w0.102: Q_S_1.3@-183.375,-10.919 Q_S_1.3@-183.375,-10.775
  Top Copper w0.305: Q_S_1.3@-183.375,-10.919 -183.282,-11.012 -183.282,-11.518 v2(-182.6,-12.2)
  Bottom Copper w0.305: Q_D_1.1@-187.75,-9.65 -187.329,-9.65 -186.882,-10.098 -186.882,-10.518 -185.2,-12.2 v2(-182.6,-12.2)
NetQ_D_2_1: Q_D_2.1 Q_S_2.3 R_TUNE_2.2 | length 8.2
  Top Copper w0.102: R_TUNE_2.2@-153.676,12.524 R_TUNE_2.2@-153.676,12.549 ; Q_S_2.3@-153.225,10.775 Q_S_2.3@-153.225,10.919
  Top Copper w0.305: v2(-154,12.2) -153.318,11.518 -153.318,11.012 Q_S_2.3@-153.225,10.919
  Bottom Copper w0.305: v2(-154,12.2) -151.4,12.2 -149.718,10.518 -149.718,10.098 -149.271,9.65 Q_D_2.1@-148.85,9.65
NetQ_D_3_1: Q_D_3.1 Q_S_3.3 R_TUNE_3.2 | length 8.2
  Top Copper w0.102: Q_S_3.3@-137.775,-10.919 Q_S_3.3@-137.775,-10.775
  Top Copper w0.305: Q_S_3.3@-137.775,-10.919 -137.682,-11.012 -137.682,-11.518 v2(-137,-12.2)
  Bottom Copper w0.305: Q_D_3.1@-142.15,-9.65 -141.729,-9.65 -141.282,-10.098 -141.282,-10.518 -139.6,-12.2 v2(-137,-12.2)
NetQ_D_4_1: Q_D_4.1 Q_S_4.3 R_TUNE_4.2 | length 8.2
  Top Copper w0.102: R_TUNE_4.2@-108.076,12.524 R_TUNE_4.2@-108.076,12.549 ; Q_S_4.3@-107.625,10.775 Q_S_4.3@-107.625,10.919
  Top Copper w0.305: v2(-108.4,12.2) -107.718,11.518 -107.718,11.012 Q_S_4.3@-107.625,10.919
  Bottom Copper w0.305: v2(-108.4,12.2) -105.8,12.2 -104.118,10.518 -104.118,10.098 -103.671,9.65 Q_D_4.1@-103.25,9.65
NetQ_D_5_1: Q_D_5.1 Q_S_5.3 R_TUNE_5.2 | length 8.2
  Top Copper w0.102: Q_S_5.3@-92.175,-10.919 Q_S_5.3@-92.175,-10.775
  Top Copper w0.305: Q_S_5.3@-92.175,-10.919 -92.082,-11.012 -92.082,-11.518 v2(-91.4,-12.2)
  Bottom Copper w0.305: Q_D_5.1@-96.55,-9.65 -96.129,-9.65 -95.682,-10.098 -95.682,-10.518 -94,-12.2 v2(-91.4,-12.2)
NetQ_D_6_1: Q_D_6.1 Q_S_6.3 R_TUNE_6.2 | length 8.2
  Top Copper w0.102: R_TUNE_6.2@-62.476,12.524 R_TUNE_6.2@-62.476,12.549 ; Q_S_6.3@-62.025,10.775 Q_S_6.3@-62.025,10.919
  Top Copper w0.305: v2(-62.8,12.2) -62.118,11.518 -62.118,11.012 Q_S_6.3@-62.025,10.919
  Bottom Copper w0.305: v2(-62.8,12.2) -60.2,12.2 -58.518,10.518 -58.518,10.098 -58.071,9.65 Q_D_6.1@-57.65,9.65